# KiCad board FPGA_dev_board.kicad_pcb (continued)
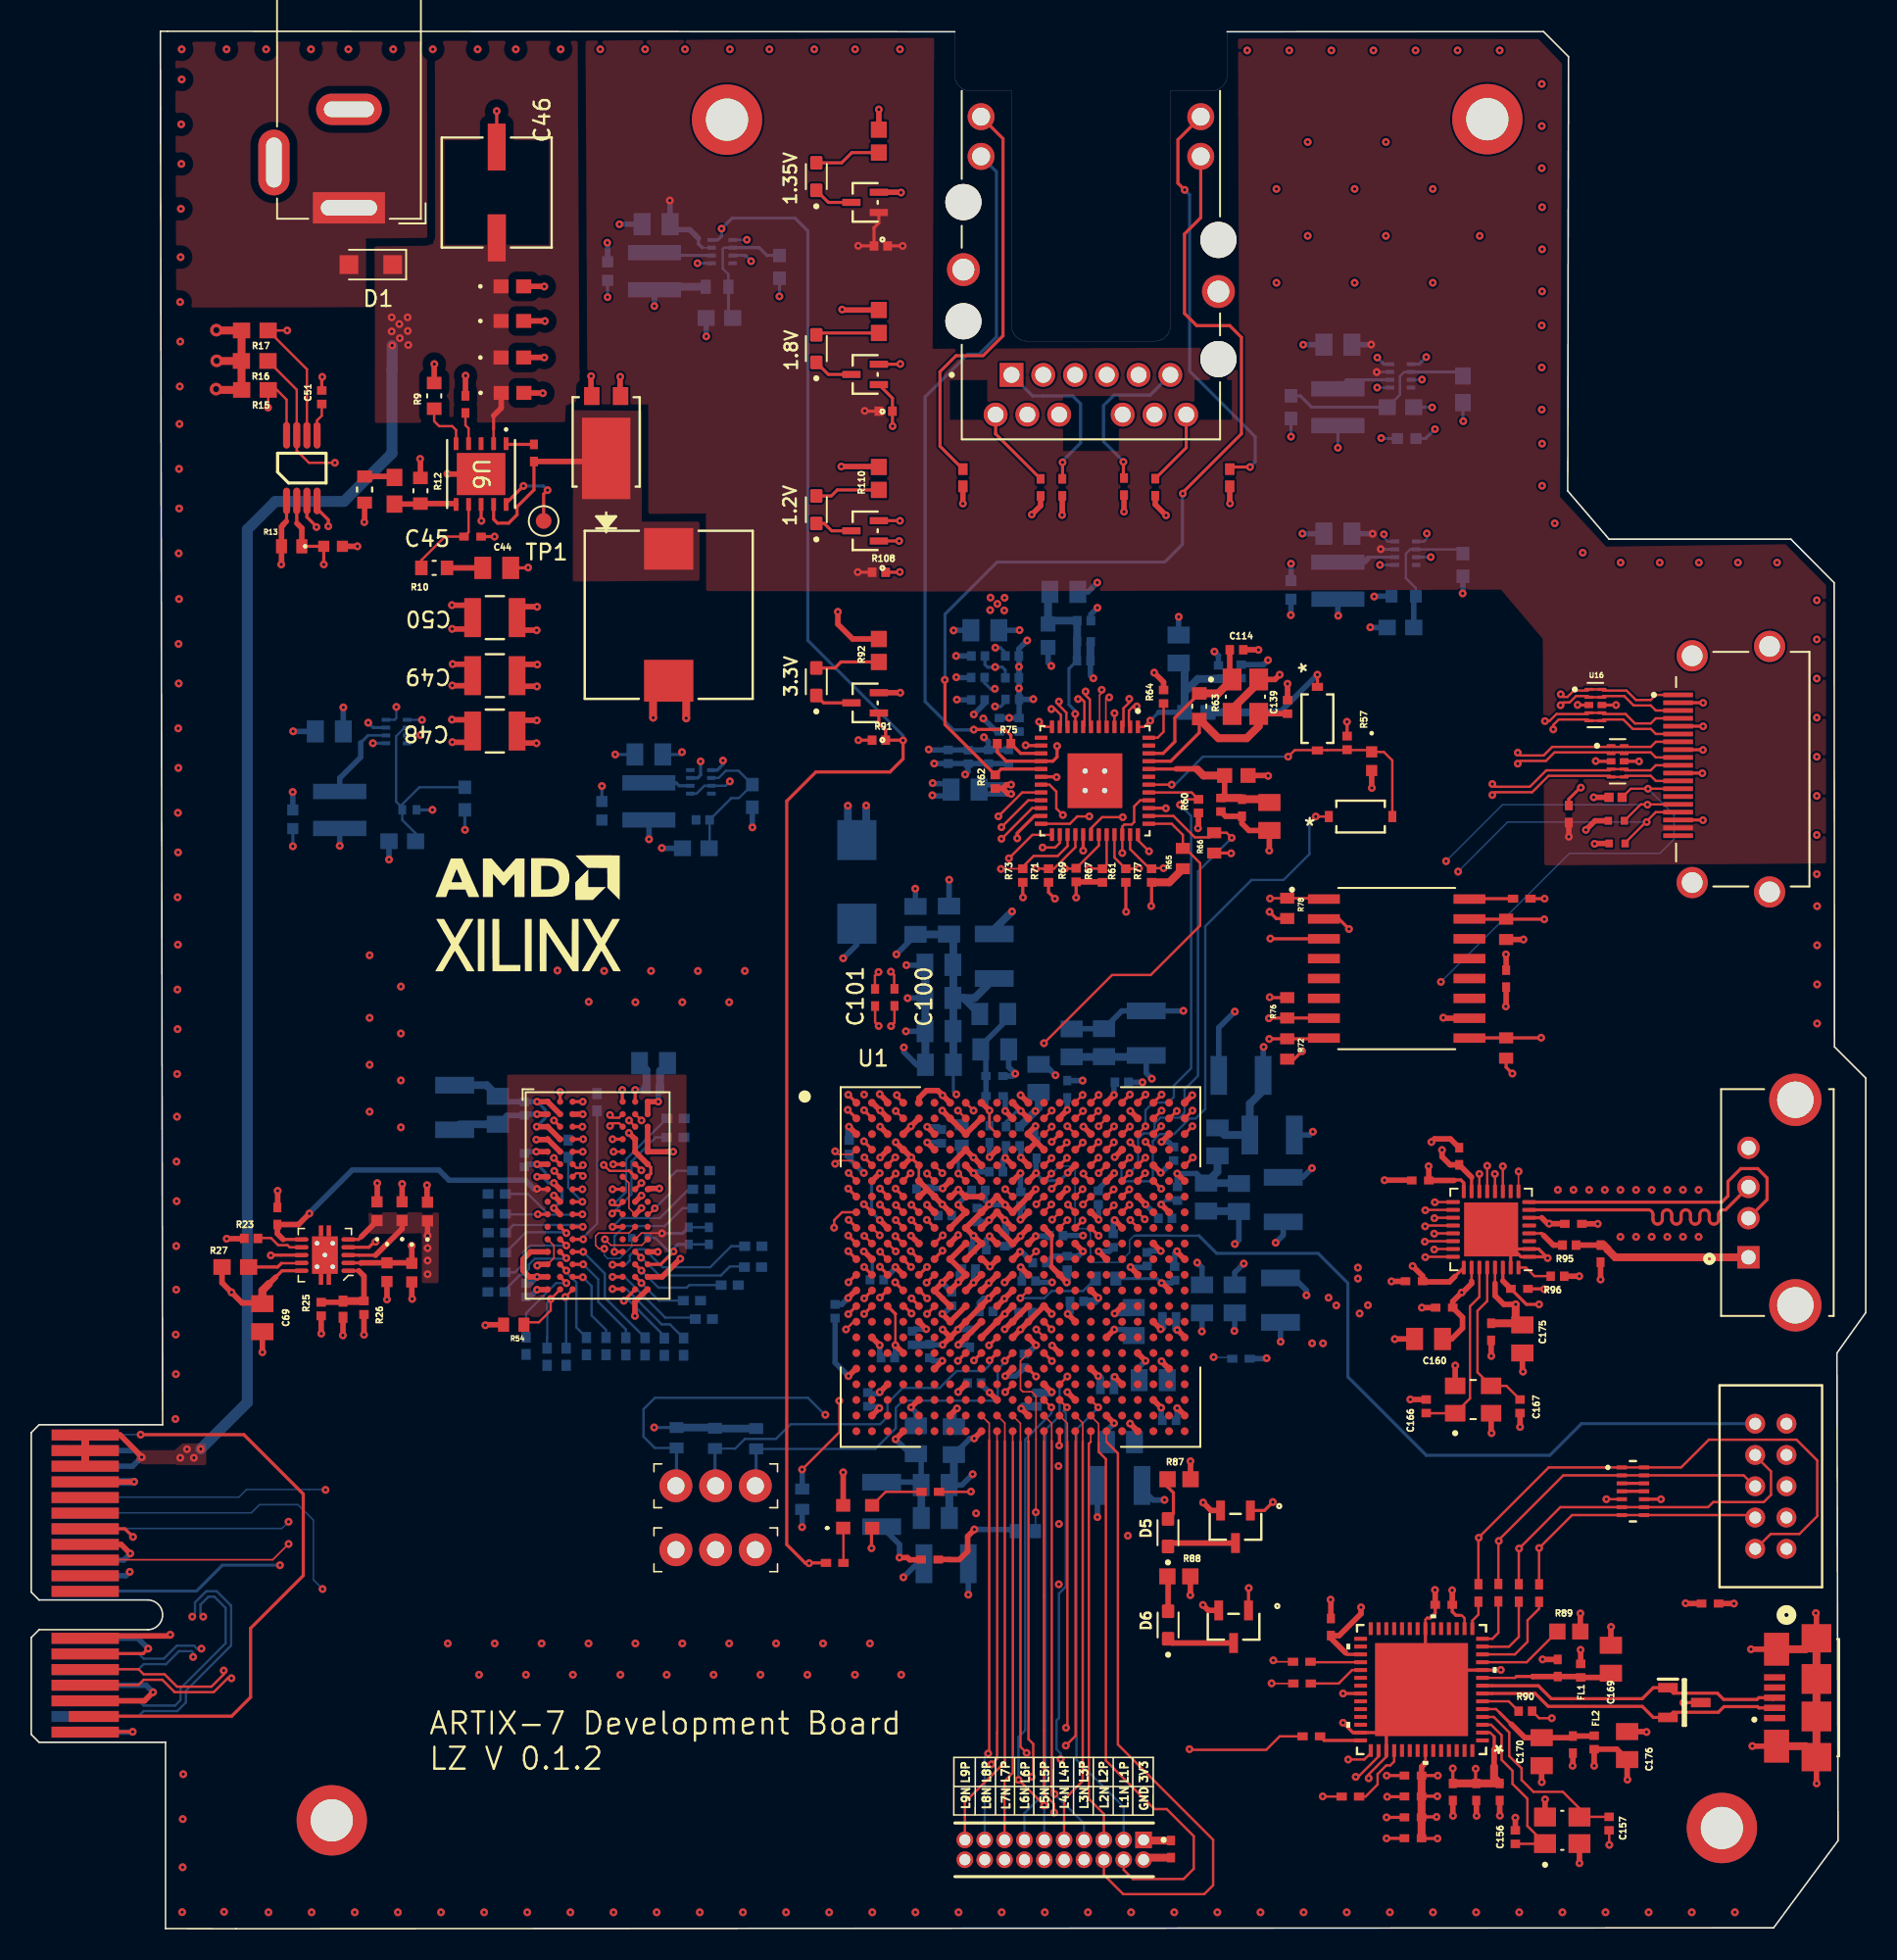
[diagram p0: board, top side]
## Routing (per net, layer and track width the routed paths; a pad name or vN(x,y) marks a point on that pad's centre or on a via; arc(x,y) is an arc through that point) (continued)
DDR3_LDQS_N: length 38.6
  Top w0.15: U1.K2 53.77,43.81 v1(53.28,44.3) ; U9.G3 34.85,48.31 35.11,48.31 v1(35.28,48.13)
  In2.Cu w0.1: v1(53.28,44.3) 53.59,44.61 53.59,44.82 52.63,45.78 50.66,45.78 49.04,44.16 49.04,43.78 47.5,42.24 46.52,42.24 arc(46.4,42.19) 46.34,42.06 46.34,41.19 arc(46.18,40.78) 45.77,40.61 arc(45.36,40.78) 45.19,41.19 45.19,42.9 arc(45.18,42.95) 45.13,42.96 44.91,42.96 arc(44.86,42.95) 44.84,42.9 44.84,41.19 arc(44.68,40.78) 44.27,40.61 arc(43.86,40.78) 43.69,41.19 43.69,42.9 arc(43.68,42.94) 43.64,42.96 43.39,42.96 arc(43.35,42.94) 43.33,42.9 43.33,42.7 arc(43.19,42.37) 42.87,42.24 42.72,42.24 41.03,43.93 41.03,47.93 40.96,48 arc(40.83,48.05) 40.71,48 40.56,47.85 arc(40.44,47.8) 40.31,47.85 arc(40.26,47.97) 40.31,48.1 40.46,48.25 arc(40.51,48.37) 40.46,48.49 arc(40.34,48.54) 40.22,48.49 39.96,48.24 arc(39.84,48.19) 39.71,48.24 arc(39.66,48.36) 39.71,48.49 39.97,48.74 arc(40.02,48.86) 39.97,48.99 39.94,49.02 38.56,49.02 37.38,47.84 36.4,47.84 35.96,48.28 35.43,48.28 v1(35.28,48.13)
  In5.Cu w0.1: 35.44,48.13 v1(35.28,48.13)
DDR3_LDQS_P: length 37.2
  Top w0.15: U9.F3 34.85,48.66 35.11,48.66 v1(35.28,48.83) ; v1(54.27,44.34) 53.79,44.81 U1.J2
  In2.Cu w0.1: v1(54.27,44.34) 53.99,44.61 53.99,44.98 52.79,46.18 50.5,46.18 48.64,44.32 48.64,43.94 47.34,42.64 46.52,42.64 arc(46.11,42.47) 45.94,42.06 45.94,41.19 arc(45.89,41.06) 45.77,41.01 arc(45.65,41.06) 45.59,41.19 45.59,42.9 arc(45.46,43.23) 45.13,43.36 44.91,43.36 arc(44.58,43.23) 44.44,42.9 44.44,41.19 arc(44.39,41.06) 44.27,41.01 arc(44.15,41.06) 44.09,41.19 44.09,42.9 arc(43.96,43.22) 43.64,43.36 43.39,43.36 arc(43.06,43.22) 42.93,42.9 42.93,42.7 arc(42.91,42.66) 42.87,42.64 42.74,42.64 41.43,43.95 41.43,48.09 40.1,49.42 38.4,49.42 37.22,48.24 36.56,48.24 36.12,48.68 35.43,48.68 v1(35.28,48.83)
DDR3_ODT: length 56.7
  Top w0.2: 55.79,43.76 v1(55.27,44.28) ; U9.K1 v1(32.4,45.68)
  In5.Cu w0.1: v1(32.4,45.68) 31.9,46.18 31.9,46.29 arc(31.84,46.44) 31.69,46.5 arc(31.54,46.56) 31.48,46.71 31.48,46.74 arc(31.54,46.89) 31.69,46.95 arc(31.84,47.01) 31.9,47.16 31.9,47.19 arc(31.84,47.34) 31.69,47.4 arc(31.54,47.46) 31.48,47.61 31.48,47.64 arc(31.54,47.79) 31.69,47.85 arc(31.84,47.91) 31.9,48.06 31.9,48.09 arc(31.84,48.24) 31.69,48.3 arc(31.54,48.36) 31.48,48.51 31.48,48.54 arc(31.54,48.69) 31.69,48.75 arc(31.84,48.81) 31.9,48.96 31.9,48.99 arc(31.84,49.14) 31.69,49.2 arc(31.54,49.26) 31.48,49.41 31.48,49.44 arc(31.54,49.59) 31.69,49.65 arc(31.84,49.71) 31.9,49.86 31.9,49.89 arc(31.84,50.04) 31.69,50.1 arc(31.54,50.16) 31.48,50.31 31.48,50.34 arc(31.54,50.49) 31.69,50.55 arc(31.84,50.61) 31.9,50.76 31.9,50.79 arc(31.84,50.94) 31.69,51 arc(31.54,51.06) 31.48,51.21 31.48,51.24 arc(31.54,51.39) 31.69,51.45 arc(31.84,51.51) 31.9,51.66 31.9,51.69 arc(31.84,51.84) 31.69,51.9 arc(31.54,51.96) 31.48,52.11 31.48,52.14 arc(31.54,52.29) 31.69,52.35 arc(31.84,52.41) 31.9,52.56 31.9,52.59 arc(31.84,52.74) 31.69,52.8 arc(31.54,52.86) 31.48,53.01 31.48,53.04 arc(31.54,53.19) 31.69,53.25 arc(31.84,53.31) 31.9,53.46 31.9,53.63 32.73,54.46 33.63,54.46 34.3,53.79 34.3,52.99 arc(34.25,52.87) 34.12,52.81 33.95,52.81 arc(33.83,52.76) 33.78,52.64 arc(33.83,52.52) 33.95,52.47 34.65,52.47 arc(34.77,52.41) 34.82,52.29 arc(34.77,52.17) 34.65,52.12 34,52.12 arc(33.88,52.06) 33.83,51.94 arc(33.88,51.82) 34,51.76 34.65,51.76 arc(34.77,51.71) 34.82,51.59 arc(34.77,51.47) 34.65,51.41 33.95,51.41 arc(33.83,51.36) 33.78,51.24 arc(33.83,51.12) 33.95,51.06 34.65,51.06 arc(34.77,51.01) 34.82,50.89 arc(34.77,50.77) 34.65,50.72 33.95,50.72 arc(33.83,50.66) 33.78,50.54 arc(33.83,50.42) 33.95,50.37 34.12,50.37 arc(34.25,50.31) 34.3,50.19 34.3,50.09 35.11,49.28 37.88,49.28 38.34,49.74 38.34,50.39 40.87,52.92 48.55,52.92 49.12,52.35 49.12,49.93 50.39,48.66 50.81,48.66 51.45,48.02 51.45,47.54 54.17,44.82 54.38,44.82 54.92,44.28 v1(55.27,44.28)
  Bottom w0.15: v1(32.4,45.68) 32.39,45.67 30.3,45.67
DDR3_RAS: length 57.9
  Top w0.2: U9.J3 v1(35.25,46.48) ; 52.78,42.8 v1(52.25,43.32)
  In5.Cu w0.1: v1(35.25,46.48) 35.65,46.88 37.66,46.88 38.86,48.08 39.26,48.08 39.73,48.55 39.73,49.97 40.21,50.45 40.96,50.45 arc(41.08,50.4) 41.14,50.28 41.14,50.24 arc(41.19,50.11) 41.31,50.06 arc(41.43,50.11) 41.48,50.24 41.48,50.81 arc(41.54,50.94) 41.66,50.99 arc(41.78,50.94) 41.83,50.81 41.83,50.09 arc(41.89,49.96) 42.01,49.91 arc(42.13,49.96) 42.19,50.09 42.19,50.81 arc(42.24,50.94) 42.36,50.99 arc(42.48,50.94) 42.53,50.81 42.53,50.09 arc(42.59,49.96) 42.71,49.91 arc(42.83,49.96) 42.89,50.09 42.89,50.81 arc(42.94,50.94) 43.06,50.99 arc(43.18,50.94) 43.23,50.81 43.23,50.09 arc(43.29,49.96) 43.41,49.91 arc(43.53,49.96) 43.58,50.09 43.58,50.81 arc(43.64,50.94) 43.76,50.99 arc(43.88,50.94) 43.94,50.81 43.94,50.09 arc(43.99,49.96) 44.11,49.91 arc(44.23,49.96) 44.28,50.09 44.28,50.81 arc(44.34,50.94) 44.46,50.99 arc(44.58,50.94) 44.64,50.81 44.64,50.09 arc(44.69,49.96) 44.81,49.91 arc(44.93,49.96) 44.98,50.09 44.98,50.81 arc(45.04,50.94) 45.16,50.99 arc(45.28,50.94) 45.33,50.81 45.33,50.09 arc(45.39,49.96) 45.51,49.91 arc(45.63,49.96) 45.69,50.09 45.69,50.81 arc(45.74,50.94) 45.86,50.99 arc(45.98,50.94) 46.03,50.81 46.03,50.09 arc(46.09,49.96) 46.21,49.91 arc(46.33,49.96) 46.39,50.09 46.39,50.81 arc(46.44,50.94) 46.56,50.99 arc(46.68,50.94) 46.73,50.81 46.73,50.62 arc(46.79,50.5) 46.91,50.45 47.05,50.45 47.24,50.26 arc(47.36,50.21) 47.48,50.26 47.62,50.41 arc(47.75,50.46) 47.87,50.41 arc(47.92,50.28) 47.87,50.16 47.34,49.63 arc(47.29,49.5) 47.34,49.38 arc(47.47,49.33) 47.59,49.38 48.12,49.91 arc(48.24,49.96) 48.37,49.91 arc(48.42,49.79) 48.37,49.66 47.84,49.13 arc(47.78,49.01) 47.84,48.89 arc(47.96,48.83) 48.08,48.89 48.58,49.38 arc(48.7,49.43) 48.83,49.38 arc(48.88,49.26) 48.83,49.13 48.33,48.64 arc(48.28,48.51) 48.33,48.39 arc(48.45,48.34) 48.58,48.39 49.07,48.89 arc(49.2,48.94) 49.32,48.89 arc(49.37,48.76) 49.32,48.64 48.83,48.14 arc(48.77,48.02) 48.83,47.9 arc(48.95,47.84) 49.07,47.9 49.57,48.39 arc(49.69,48.44) 49.82,48.39 arc(49.87,48.27) 49.82,48.14 49.32,47.65 arc(49.27,47.52) 49.32,47.4 arc(49.44,47.35) 49.57,47.4 50.06,47.9 arc(50.19,47.95) 50.31,47.9 arc(50.36,47.77) 50.31,47.65 49.82,47.15 arc(49.76,47.03) 49.82,46.91 arc(49.94,46.85) 50.06,46.91 50.56,47.4 arc(50.68,47.45) 50.81,47.4 50.81,47.4 arc(50.86,47.28) 50.81,47.15 50.31,46.66 arc(50.26,46.53) 50.31,46.41 arc(50.43,46.36) 50.56,46.41 51.05,46.91 arc(51.18,46.96) 51.3,46.91 arc(51.35,46.78) 51.3,46.66 50.81,46.16 arc(50.75,46.04) 50.81,45.92 arc(50.93,45.86) 51.05,45.92 51.55,46.41 arc(51.67,46.46) 51.8,46.41 arc(51.85,46.29) 51.8,46.16 51.69,46.06 arc(51.64,45.93) 51.69,45.81 51.75,45.75 51.75,43.65 52.08,43.32 v1(52.25,43.32)
  Bottom w0.15: v1(35.25,46.48) 34.34,47.39 R50.2
DDR3_RST: length 60.5
  Top w0.1: U1.F4 55.77,47.83
  Top w0.15: 31.73,38.78 32.47,38.78 33.22,39.53 v1(33.22,40.26) 33.83,40.87 U9.T2
  Top w0.2: 55.77,47.83 v1(56.24,48.31)
  In5.Cu w0.1: v1(56.24,48.31) 56.24,48.63 55.8,49.07 55.8,49.58 55.53,49.85 55.05,49.85 54.73,50.17 54.73,54.87 52.15,57.45 31.84,57.45 29.37,54.98 29.37,41.49 31.08,39.78 32.74,39.78 v1(33.22,40.26)
  Bottom w0.15: v1(33.22,40.26) 33,40.04 33,37.82 32.99,37.81 R48.2
DDR3_UDM: length 37.1
  Top w0.15: v1(52.28,48.32) 52.77,47.83 U1.F1
  Top w0.2: U9.D3 v1(35.3,50.48)
  In2.Cu w0.1: v1(52.28,48.32) 52.28,48.32 51.96,48.32 arc(51.89,48.35) 51.86,48.42 arc(51.83,48.49) 51.76,48.52 51.61,48.52 arc(51.54,48.49) 51.51,48.42 51.51,47.75 arc(51.46,47.62) 51.33,47.57 arc(51.21,47.62) 51.16,47.75 51.16,48.5 arc(51.11,48.62) 50.98,48.67 arc(50.86,48.62) 50.81,48.5 50.81,47.75 arc(50.76,47.62) 50.64,47.57 arc(50.51,47.62) 50.46,47.75 50.46,48.94 arc(50.41,49.07) 50.28,49.12 arc(50.16,49.07) 50.11,48.94 50.11,47.75 arc(50.06,47.62) 49.94,47.57 arc(49.81,47.62) 49.76,47.75 49.76,48.47 arc(49.72,48.58) 49.61,48.62 49.56,48.62 arc(49.45,48.58) 49.41,48.47 49.41,47.75 arc(49.36,47.62) 49.23,47.57 arc(49.11,47.62) 49.06,47.75 49.06,48.47 arc(49.02,48.58) 48.91,48.62 48.86,48.62 arc(48.75,48.58) 48.71,48.47 48.71,47.75 arc(48.66,47.62) 48.53,47.57 arc(48.41,47.62) 48.36,47.75 48.36,48.47 arc(48.32,48.58) 48.21,48.62 48.16,48.62 arc(48.05,48.58) 48.01,48.47 48.01,47.75 arc(47.96,47.62) 47.83,47.57 arc(47.71,47.62) 47.66,47.75 47.66,48.47 arc(47.62,48.58) 47.51,48.62 47.46,48.62 arc(47.35,48.58) 47.31,48.47 47.31,47.75 arc(47.26,47.62) 47.14,47.57 arc(47.01,47.62) 46.96,47.75 46.96,48.47 arc(46.92,48.58) 46.81,48.62 46.76,48.62 arc(46.65,48.58) 46.61,48.47 46.61,47.75 arc(46.56,47.62) 46.44,47.57 arc(46.31,47.62) 46.26,47.75 46.26,48.47 arc(46.22,48.58) 46.11,48.62 46.06,48.62 arc(45.95,48.58) 45.91,48.47 45.91,47.75 arc(45.86,47.62) 45.73,47.57 arc(45.61,47.62) 45.56,47.75 45.56,48.15 arc(45.51,48.27) 45.39,48.32 44.91,48.32 42.39,50.84 39.15,50.84 38.71,51.28 37.96,51.28 37.58,50.9 36.69,50.9 36.27,50.48 v1(35.3,50.48)
DDR3_UDQS_N: length 38.1
  Top w0.1: U1.D1 52.47,49.51 51.62,49.51 v1(51.42,49.71)
  Top w0.15: U9.B7 37.6,51.85 37.19,51.85 v1(37.01,52.03)
  In5.Cu w0.1: v1(51.42,49.71) 51.22,49.51 50.7,49.51 50.59,49.62 arc(50.58,49.66) 50.59,49.7 arc(50.61,49.74) 50.59,49.78 50.42,49.95 arc(50.38,49.96) 50.34,49.95 arc(50.31,49.93) 50.27,49.95 50.03,50.18 50.03,54.32 48.6,55.75 48.11,55.75 arc(47.62,55.54) 47.41,55.05 47.41,53.98 arc(47.32,53.77) 47.11,53.68 arc(46.9,53.77) 46.81,53.98 46.81,55.05 arc(46.61,55.54) 46.11,55.75 arc(45.62,55.54) 45.41,55.05 45.41,53.98 arc(45.32,53.77) 45.11,53.68 arc(44.9,53.77) 44.81,53.98 44.81,55.05 arc(44.61,55.54) 44.11,55.75 arc(43.62,55.54) 43.41,55.05 43.41,53.98 arc(43.32,53.77) 43.11,53.68 arc(42.9,53.77) 42.81,53.98 42.81,55.05 arc(42.61,55.54) 42.11,55.75 arc(41.62,55.54) 41.41,55.05 41.41,53.98 arc(41.32,53.77) 41.11,53.68 arc(40.9,53.77) 40.81,53.98 40.81,55.05 arc(40.61,55.54) 40.11,55.75 39.95,55.75 39.06,54.86 39.06,53.11 38.86,52.91 38.03,52.91 37.61,52.49 37.15,52.03 v1(37.01,52.03) 37.16,51.88
DDR3_UDQS_P: length 38.1
  Top w0.1: v1(51.42,48.91) 51.62,49.11 52.47,49.11 U1.E1
  Top w0.15: U9.C7 37.6,51.5 37.19,51.5 v1(37.01,51.33)
  In5.Cu w0.1: 37.16,51.48 v1(37.01,51.33) 38.19,52.51 39.03,52.51 39.46,52.94 39.46,54.7 40.11,55.35 arc(40.32,55.26) 40.41,55.05 40.41,53.98 arc(40.62,53.49) 41.11,53.28 arc(41.61,53.49) 41.81,53.98 41.81,55.05 arc(41.9,55.26) 42.11,55.35 arc(42.32,55.26) 42.41,55.05 42.41,53.98 arc(42.62,53.49) 43.11,53.28 arc(43.61,53.49) 43.81,53.98 43.81,55.05 arc(43.9,55.26) 44.11,55.35 arc(44.32,55.26) 44.41,55.05 44.41,53.98 arc(44.62,53.49) 45.11,53.28 arc(45.61,53.49) 45.81,53.98 45.81,55.05 arc(45.9,55.26) 46.11,55.35 arc(46.32,55.26) 46.41,55.05 46.41,53.98 arc(46.62,53.49) 47.11,53.28 arc(47.61,53.49) 47.81,53.98 47.81,55.05 arc(47.9,55.26) 48.11,55.35 48.44,55.35 49.63,54.16 49.63,50.02 50.54,49.11 51.22,49.11 v1(51.42,48.91)
DDR3_WE: length 59.9
  Top w0.2: 55.82,44.78 v1(55.29,45.31) ; 34.65,44.88 v1(35.28,44.88)
  In5.Cu w0.1: v1(35.28,44.88) 31.23,44.88 30.83,45.28 30.83,45.32 30.62,45.53 30.62,46.07 arc(30.68,46.21) 30.82,46.26 arc(30.95,46.32) 31.01,46.46 31.01,46.47 arc(30.95,46.61) 30.82,46.66 arc(30.68,46.72) 30.62,46.86 30.62,46.87 arc(30.68,47.01) 30.82,47.06 arc(30.95,47.12) 31.01,47.26 31.01,47.27 arc(30.95,47.41) 30.82,47.46 arc(30.68,47.52) 30.62,47.66 30.62,47.67 arc(30.68,47.81) 30.82,47.86 arc(30.95,47.92) 31.01,48.06 31.01,48.07 arc(30.95,48.21) 30.82,48.26 arc(30.68,48.32) 30.62,48.46 30.62,48.47 arc(30.68,48.61) 30.82,48.66 arc(30.95,48.72) 31.01,48.86 31.01,48.87 arc(30.95,49.01) 30.82,49.06 arc(30.68,49.12) 30.62,49.26 30.62,49.27 arc(30.68,49.41) 30.82,49.46 arc(30.95,49.52) 31.01,49.66 31.01,49.67 arc(30.95,49.81) 30.82,49.86 arc(30.68,49.92) 30.62,50.06 30.62,50.07 arc(30.68,50.21) 30.82,50.26 arc(30.95,50.32) 31.01,50.46 31.01,50.47 arc(30.95,50.61) 30.82,50.66 arc(30.68,50.72) 30.62,50.86 30.62,50.87 arc(30.68,51.01) 30.82,51.06 arc(30.95,51.12) 31.01,51.26 31.01,51.27 arc(30.95,51.41) 30.82,51.46 arc(30.68,51.52) 30.62,51.66 30.62,51.67 arc(30.68,51.81) 30.82,51.86 arc(30.95,51.92) 31.01,52.06 31.01,52.07 arc(30.95,52.21) 30.82,52.26 arc(30.68,52.32) 30.62,52.46 30.62,52.47 arc(30.68,52.61) 30.82,52.66 arc(30.95,52.72) 31.01,52.86 31.01,52.87 arc(30.95,53.01) 30.82,53.06 arc(30.68,53.12) 30.62,53.26 30.62,53.27 arc(30.68,53.41) 30.82,53.46 arc(30.95,53.52) 31.01,53.66 31.01,53.67 arc(30.95,53.81) 30.82,53.86 arc(30.68,53.92) 30.62,54.06 30.62,54.8 32.31,56.49 51.66,56.49 52.74,55.41 52.74,48.1 53.95,46.89 54.29,46.89 54.73,46.45 54.73,45.87 v1(55.29,45.31)
  Bottom w0.15: R52.2 30.83,45 35.16,45 v1(35.28,44.88)
DONE: length 54.6
  Top w0.15: v1(62.29,47.28) 62.77,46.81 U1.G11
  Top w0.2: MOSFET5.1 77.85,21.76 v1(77.87,21.78)
  In4_VCC.Cu w0.1: v1(75.62,36.55) 75.35,36.82 75.35,42.56 73.07,44.84 73.07,46.29 72.53,46.83 71.52,46.83 ; v1(62.29,47.28) 62.7,47.28 63.16,46.83 71.52,46.83 ; 71.52,46.83 71.58,46.83
  In5.Cu w0.15: v1(75.62,36.55) 75.64,36.57 77.24,36.57 79.32,38.65 83.69,38.65 84.93,37.41 84.93,28.85 77.87,21.79 v1(77.87,21.78)
  Bottom w0.1: R80.1 76.73,36.53 75.64,36.53 v1(75.62,36.55)
ETH_CLK125_OUT: length 28
  Top w0.15: U11.41 74.22,72.65 R60.2 73.82,72.21 v1(73.47,71.86) ; U1.C19 70.77,50.81 v1(71.27,51.31)
  Bottom w0.15: v1(73.47,71.86) 74.18,71.15 74.18,55.01 73.08,53.91 73.08,53.18 72.72,52.82 71.75,52.82 71.27,52.34 v1(71.27,51.31)
ETH_INT_N: length 31.9
  Top w0.15: v1(76.78,69.75) 76.45,70.07 R66.2 75.36,69.78 74.42,69.78 73.05,71.15 U11.38
  Top w0.2: 69.77,47.84 v1(70.24,48.31)
  Bottom w0.15: v1(70.24,48.31) 70.79,48.86 70.79,50.51 71.13,50.85 71.59,50.85 71.84,51.1 71.84,51.49 72.22,51.86 73.44,51.86 73.76,52.18 73.76,53.67 74.62,54.53 74.62,67.59 v1(76.78,69.75)
ETH_LED1: length 61.3
  Top w0.2: 64.58,74.15 62.03,74.15 R62.2 58.44,76.99 58.44,79.82 ; 73.63,91.81 77.4,95.58 77.4,101.75 76.65,102.5 74.54,102.5 73.76,103.28 73.76,108.36 74.8,109.4 J3.15
  Bottom w0.2: 58.44,79.86 58.44,79.82 58.44,84.05 61.77,87.38 72.5,87.38 73.63,88.51 73.63,91.74 v1(73.65,91.76) 73.63,91.78 73.63,91.79
  vias: v1(58.43,79.85)
ETH_LED2: length 46.7
  Top w0.2: 60.29,76.68 62.28,76.68 62.66,76.31 R75.2 63.28,75.15 64.58,75.15
  Bottom w0.2: 60.29,76.68 60.26,76.65 58.99,76.65 57.17,78.47 57.17,97.94 59.9,100.67 60.62,100.67 61.73,101.78 61.73,112.34 J3.13
  vias: v1(60.28,76.67)
ETH_MDC: length 25.1
  Top w0.15: v1(71.49,68.89) 70.78,69.6 70.78,69.95
  Top w0.2: v1(70.29,50.28) 70.77,49.81 U1.D19
  In2.Cu w0.1: v1(70.29,50.28) 70.29,50.54 70.75,51 70.75,51.95 71.89,53.09 71.89,53.5 75.04,56.65 75.04,67.12 73.27,68.89 v1(71.49,68.89)
ETH_MDIO: length 31
  Top w0.15: v1(64.77,56.62) 69.13,60.98 71.6,60.98 74.76,64.14 74.76,68.13 73.81,69.07 R65.2 73.66,69.94 72.94,70.65 U11.37
  Top w0.2: 65.77,48.81 v1(66.24,49.28)
  In2.Cu w0.1: v1(64.77,56.62) 64.77,50.09 65.02,49.84 65.88,49.84 66.24,49.48 v1(66.24,49.28)
FB: length 4
  Top w0.35: U6.6 27.12,91.12 R12.1 24.86,91.09 R11.2
HDMI_CEC: length 55.7
  Top w0.15: J7.13 102.3,72.89 R97.2
  Top w0.2: v1(68.27,44.31) 67.77,44.81 U1.J16
  In2.Cu w0.1: v1(68.27,44.31) 73.23,44.31 89.46,60.54 v1(90.16,60.54)
  Bottom w0.1: v1(103.4,72.89) 105.07,71.22 105.07,69.67 104.16,68.76 98.38,68.76 v1(90.16,60.54)
HDMI_DDC_SCL: length 51.1
  Top w0.15: R106.2 102.94,71.89 J7.15
  Top w0.2: 68.75,46.8 v1(69.23,47.27)
  In2.Cu w0.1: v1(90.49,68.26) 90.49,64.5 73.82,47.83 69.78,47.83 69.23,47.28 v1(69.23,47.27)
  Bottom w0.1: v1(90.49,68.26) 94.1,71.87 v1(103.37,71.87)
HDMI_DDC_SDA: length 50
  Top w0.15: R107.2 101.94,69.43 103.9,71.39 J7.16
  Top w0.2: 69.75,46.8 v1(70.23,47.27)
  In2.Cu w0.1: v1(70.23,47.27) 70.75,47.27 71.19,46.83 73.69,46.83 91.26,64.4 v1(91.26,67.59)
  Bottom w0.1: v1(91.26,67.59) 92.52,68.85 92.52,68.86 94.42,70.76 v1(103.32,70.76)
HDMI_TMDS_CLK_N: length 73.9
  Top w0.15: 70.72,45.86 v1(71.22,45.36) ; J7.12 103.9,73.39 103.58,73.72 101.95,73.72 U15.6 U15.5 100.97,73.72 97.04,73.72 95.99,72.67 93.62,72.67 v1(93.45,72.49)
  In2.Cu w0.1: v1(84.85,42.27) 85,42.12 85.2,42.12 87.13,44.05 87.13,49.3 102.33,64.5 102.33,65.57 99.64,68.26 96.14,68.26 94.32,70.08 94.32,72.18 93.86,72.64 93.6,72.64 v1(93.45,72.49)
  In5.Cu w0.1: v1(84.85,42.27) 84.7,42.12 72.23,42.12 70.93,43.42 70.93,45.07 v1(71.22,45.36)
HDMI_TMDS_CLK_P: length 75.8
  Top w0.15: v1(93.45,73.19) 93.62,73.02 95.85,73.02 96.9,74.06 100.97,74.06 U15.4 U15.7 101.95,74.06 103.58,74.06 103.9,74.39 J7.10 ; 70.79,44.81 v1(70.29,45.31)
  In2.Cu w0.1: v1(93.45,73.19) 93.6,73.04 94.02,73.04 94.72,72.34 94.72,70.24 96.3,68.66 99.8,68.66 102.73,65.73 102.73,64.34 87.53,49.14 87.53,43.89 85.36,41.72 85,41.72 v1(84.85,41.57)
  In5.Cu w0.1: v1(70.29,45.31) 70.53,45.07 70.53,43.26 72.07,41.72 84.7,41.72 v1(84.85,41.57)
HDMI_TMDS_D0_N: length 84.7
  Top w0.15: 65.76,45.81 v1(65.29,45.34) ; J7.9 103.9,74.89 103.58,75.22 101.95,75.22 U15.9 101.8,75.22 101.12,75.22 U15.2 100.97,75.22 97.42,75.22 96.88,74.67 95.25,74.67 v1(95.08,74.49)
  In2.Cu w0.1: 91.29,73.6 91.29,72.19 95.91,67.57 99.16,67.57 100.8,65.93 100.8,64.05 83.79,47.04 83.79,40.39 83.47,40.06 v1(83.47,39.85) ; 91.29,73.51 91.29,73.77 92.17,74.64 94.93,74.64 v1(95.08,74.49)
  In5.Cu w0.1: v1(83.47,39.85) 83.26,39.85 82.8,39.4 71.32,39.4 69.27,41.45 67.27,41.45 66.24,42.47 66.24,44.06 65.59,44.72 65.59,45.03 v1(65.29,45.34)
HDMI_TMDS_D0_P: length 84
  Top w0.15: 65.8,44.84 v1(66.27,45.31) ; J7.7 103.9,75.89 103.58,75.56 101.95,75.56 U15.10 101.8,75.56 101.12,75.56 U15.1 100.97,75.56 97.28,75.56 96.73,75.02 95.25,75.02 v1(95.08,75.19)
  In2.Cu w0.1: 90.89,73.51 90.89,73.93 92,75.04 94.93,75.04 v1(95.08,75.19) ; v1(82.97,40.35) 83.18,40.35 83.39,40.55 83.39,47.2 100.4,64.21 100.4,65.77 99,67.17 95.75,67.17 90.89,72.03 90.89,73.6
  In5.Cu w0.1: v1(82.97,40.35) 82.97,40.14 82.64,39.8 71.48,39.8 69.43,41.85 67.43,41.85 66.64,42.64 66.64,44.23 65.99,44.88 65.99,45.03 v1(66.27,45.31)
HDMI_TMDS_D1_N: length 82.4
  Top w0.15: J7.6 103.9,76.39 103.58,76.72 102.43,76.72 101.83,77.31 100.53,77.31 U16.6 U16.5 99.55,77.31 97.69,77.31 97.35,76.97 v1(97.35,76.68) ; U1.G16 67.77,46.81 v1(67.27,46.31)
  In2.Cu w0.1: v1(84.96,39.34) 87.45,39.34 91.4,43.29 91.4,50.09 103.94,62.63 103.94,67.02 96.97,73.99 96.97,76.56 97.1,76.68 v1(97.35,76.68)
  In5.Cu w0.1: v1(67.27,46.31) 67.54,46.59 67.66,46.59 68.89,45.36 68.89,45.14 69.13,44.91 69.34,44.91 69.48,44.77 69.48,42.9 69.91,42.47 69.9,42.46 69.9,42.13 70.14,41.9 70.47,41.9 70.47,41.9 72.18,40.2 80.41,40.2 81.18,40.97 83.58,40.97 84.96,39.59 v1(84.96,39.34)
HDMI_TMDS_D1_P: length 82.3
  Top w0.15: J7.4 103.9,77.39 103.58,77.06 102.57,77.06 101.97,77.66 100.53,77.66 U16.7 U16.4 99.55,77.66 97.55,77.66 97.1,77.22 v1(96.81,77.22) ; U1.G15 66.77,46.81 v1(67.24,47.28)
  In2.Cu w0.1: v1(85.49,39.87) 85.62,39.74 87.29,39.74 91,43.45 91,50.25 103.54,62.79 103.54,66.86 96.57,73.83 96.57,76.72 96.81,76.97 v1(96.81,77.22)
  In5.Cu w0.1: v1(85.49,39.87) 85.24,39.87 83.74,41.37 81.02,41.37 80.25,40.6 72.34,40.6 70.7,42.24 70.7,42.46 70.47,42.7 70.24,42.7 69.88,43.06 69.88,44.93 69.69,45.12 69.69,45.48 69.46,45.71 69.13,45.71 69.11,45.7 67.83,46.98 67.54,46.98 v1(67.24,47.28)
HDMI_TMDS_D2_N: length 98.6
  Top w0.15: J7.3 103.9,77.89 103.58,78.22 102.49,78.22 101.89,78.81 100.53,78.81 U16.9 U16.2 99.55,78.81 98.8,78.81 98.4,78.41 97.99,78.41 v1(97.81,78.23) ; 64.75,46.8 v1(64.28,46.32)
  In2.Cu w0.1: v1(97.81,78.23) 97.62,78.42 92.7,78.42 89.84,75.56 89.84,71.13 94.25,66.72 97.92,66.72 98.62,66.02 98.62,64.07 82.47,47.92 82.47,37.58 v1(82.62,37.43)
  In5.Cu w0.1: v1(64.28,46.32) 64.28,45.91 64.09,45.72 64.09,45.12 65.05,44.16 65.05,43.68 64.88,43.52 64.88,43.18 65.05,43.02 65.05,42.5 64.29,41.74 64.29,40.63 65.03,39.88 66.74,39.88 67.71,38.92 67.71,37.65 70.54,34.82 81.07,34.82 82.47,36.22 82.47,37.28 v1(82.62,37.43)
HDMI_TMDS_D2_P: length 98.2
  Top w0.15: J7.1 103.9,78.89 103.58,78.56 102.63,78.56 102.03,79.16 100.53,79.16 U16.10 U16.1 99.55,79.16 98.66,79.16 98.25,78.76 97.99,78.76 v1(97.82,78.93) ; 64.77,45.84 v1(65.24,46.31)
  In2.Cu w0.1: v1(97.82,78.93) 97.71,78.82 92.54,78.82 89.44,75.72 89.44,70.97 94.09,66.32 97.76,66.32 98.22,65.86 98.22,64.23 82.07,48.08 82.07,37.58 v1(81.92,37.43)
  In5.Cu w0.1: v1(65.24,46.31) 64.49,45.56 64.49,45.28 65.45,44.33 65.45,43.75 65.68,43.52 65.68,43.18 65.45,42.95 65.45,42.33 64.69,41.58 64.69,40.79 65.2,40.28 66.91,40.28 68.11,39.08 68.11,37.81 70.7,35.22 80.91,35.22 82.07,36.38 82.07,37.28 v1(81.92,37.43)
INIT: length 37.2
  Top w0.1: 64.26,31.3 64.27,31.29 ; 64.26,31.3 64.26,26.64 v1(64.25,26.63) ; 64.26,31.3 64.26,34.06 63.99,34.33 63.42,34.33 63.27,34.48 63.27,36.31 U1.U12
  Top w0.2: MOSFET4.1 78.87,26.74 v1(79.41,27.28)
  In5.Cu w0.15: v1(79.41,27.28) 76.98,27.28 70.42,20.72 65.36,20.72 64.25,21.83 v1(64.25,26.63)
  Bottom w0.1: v1(64.25,26.63) 64.23,26.61 R82.1
IO_L1N: length 37.8
  Top w0.1: 67.77,32.78 68.27,32.28 68.27,31.11
  Top w0.15: J8.04 69.87,3.77 70.46,3.18 73.7,3.18 74.35,3.83 74.35,5.92 72.62,7.65 71.83,7.65 68.73,10.75 68.73,30.03 68.27,30.49 68.27,31.11
IO_L1P: length 30.2
  Top w0.15: v1(68.24,33.34) 67.77,33.81 U1.Y16
  Bottom w0.15: v1(68.24,33.34) 68.24,33.32 66.85,31.93 66.85,10.8 69.87,7.78 J8.03
IO_L2N: length 40.5
  Top w0.1: 68.77,31.78 68.77,31.13
  Top w0.15: 68.77,31.13 69.5,30.4 69.5,11.78 75.59,5.69 75.59,2.78 75.02,2.21 69.84,2.21 68.6,3.45 J8.06
IO_L2P: length 26.6
  Top w0.1: 67.77,31.13 67.77,31.78
  Top w0.15: 67.77,31.13 67.64,31.01 67.64,8.3 68.6,7.34 J8.05
IO_L3N: length 46.5
  Top w0.1: 64.77,31.78 64.77,31.13
  Top w0.15: v1(65.42,7.43) 65.42,7.97 64.77,8.62 64.77,31.13
  In2.Cu w0.15: J8.08 67.33,3.8 68.07,3.06 74,3.06 75.4,4.46 75.4,6.29 74.26,7.43 v1(65.42,7.43)
IO_L3P: length 28.2
  Top w0.1: 64.77,32.81 65.27,32.31 65.27,31.13
  Top w0.15: 65.27,31.18 65.27,8.79 v1(65.45,8.61)
  Bottom w0.15: J8.07 67.33,6.74 65.54,8.53 65.53,8.53 v1(65.45,8.61)
IO_L4N: length 48.6
  Top w0.1: 66.79,31.81 66.79,31.16
  Top w0.15: 66.79,31.16 66.79,12.33 v1(66.17,11.71) ; 66.79,31.83 66.77,31.81
  In2.Cu w0.15: J8.10 66.06,3.57 67.67,1.96 74.87,1.96 76.57,3.66 76.57,6.65 71.48,11.74 66.2,11.74 v1(66.17,11.71)
IO_L4P: length 27.8
  Top w0.1: 67.25,31.17 67.25,32.33 U1.AA15
  Top w0.15: 67.25,31.17 67.25,9.45 66.06,8.26 J8.09
IO_L5N: length 50.5
  Top w0.1: 66.27,31.13 66.27,32.31 65.77,32.81
  Top w0.15: v1(66.18,12.85) 66.18,12.84 66.27,12.93 66.27,31.13
  In2.Cu w0.15: v1(66.18,12.85) 65.75,12.42 57.69,12.42 55.61,10.34 55.61,3.19 56.87,1.93 63.58,1.93 64.79,3.14 J8.12
IO_L5P: length 30
  Top w0.15: v1(64.79,7.89) 63.16,9.52 v1(63.14,9.52) ; 64.77,33.81 v1(65.24,33.34)
  Bottom w0.15: 63.07,9.59 v1(63.14,9.52) 63.14,12.25 63.57,12.68 63.57,31.28 65.24,32.95 v1(65.24,33.34) ; J8.11 v1(64.79,7.89)
IO_L6N: length 48.4
  Top w0.15: v1(66.24,33.34) 65.77,33.81 U1.Y14
  In5.Cu w0.15: J8.14 63.52,3.22 62.22,1.92 57.15,1.92 56.32,2.75 56.32,7.15 58.09,8.92 61.13,8.92 62.68,10.47 63.91,10.47 64.28,10.84 v1(65.84,10.84)
  Bottom w0.15: v1(66.24,33.34) 66.02,33.11 66.17,32.96 66.17,21.87 65.73,21.43 65.73,13.47 65.57,13.31 65.57,11.48 65.84,11.21 v1(65.84,10.84)
IO_L6P: length 31.5
  Top w0.15: v1(66.27,35.31) U1.W14
  Bottom w0.15: v1(66.27,35.31) U1.W14 65.77,32.8 64.87,31.9 64.87,8.73 63.52,7.38 J8.13
IO_L7N: length 40.1
  Top w0.1: 63.77,31.16 63.77,31.16 U1.AB12
  Top w0.15: v1(63.99,9.71) 64.08,9.81 64.08,11.81 63.78,12.12 63.78,31.15 63.77,31.16
  In5.Cu w0.15: J8.16 60.52,2.68 57.79,2.68 57.2,3.27 57.2,6.68 58.52,8 62.78,8 63.99,9.21 v1(63.99,9.71) 63.96,9.71
IO_L7P: length 26.4
  Top w0.1: 62.78,31.12 62.77,31.13 U1.AB11
  Top w0.15: 62.78,31.12 62.78,9.97 62.25,9.44 J8.15
IO_L8N: length 37.1
  Top w0.1: 61.78,31.16 61.77,31.17 U1.AB10
  Top w0.15: 61.78,31.16 61.78,12.53 61.77,12.52 61.77,10.87 v1(61.41,10.51)
  In2.Cu w0.15: v1(61.41,10.51) 60.95,10.05 58.24,10.05 56.93,8.74 56.93,3.66 57.62,2.97 60.18,2.97 60.98,3.77 J8.18
IO_L8P: length 27.5
  Top w0.1: U1.AA9 61.17,32.41 61.18,32.41 61.27,32.32 61.27,31.23
  Top w0.15: v1(61.2,11.2) 61.27,11.27 61.27,31.23
  Bottom w0.15: v1(61.2,11.2) 60.98,10.98 J8.17
IO_L9N: length 33.9
  Top w0.1: 62.77,32.81 63.27,32.31 63.27,31.13
  Top w0.15: 63.27,31.13 63.27,11.63 v1(63.66,11.24)
  In2.Cu w0.15: J8.20 58.4,4.41 58.17,4.64 58.17,8.05 58.7,8.58 61.16,8.58 63.66,11.08 v1(63.66,11.24)
